# Altium PCB Master Board.PcbDoc
Units mil, origin at the board's own origin, x right, y up, seen from the top; angles counter-clockwise.
Board outline 4310 x 2020 mil, 4 copper layers (Top Layer, Internal Plane 1, Internal Plane 2, Bottom Layer), stack 18.2 mil thick; 98 components, 84 nets, 350 pads, 55 vias.
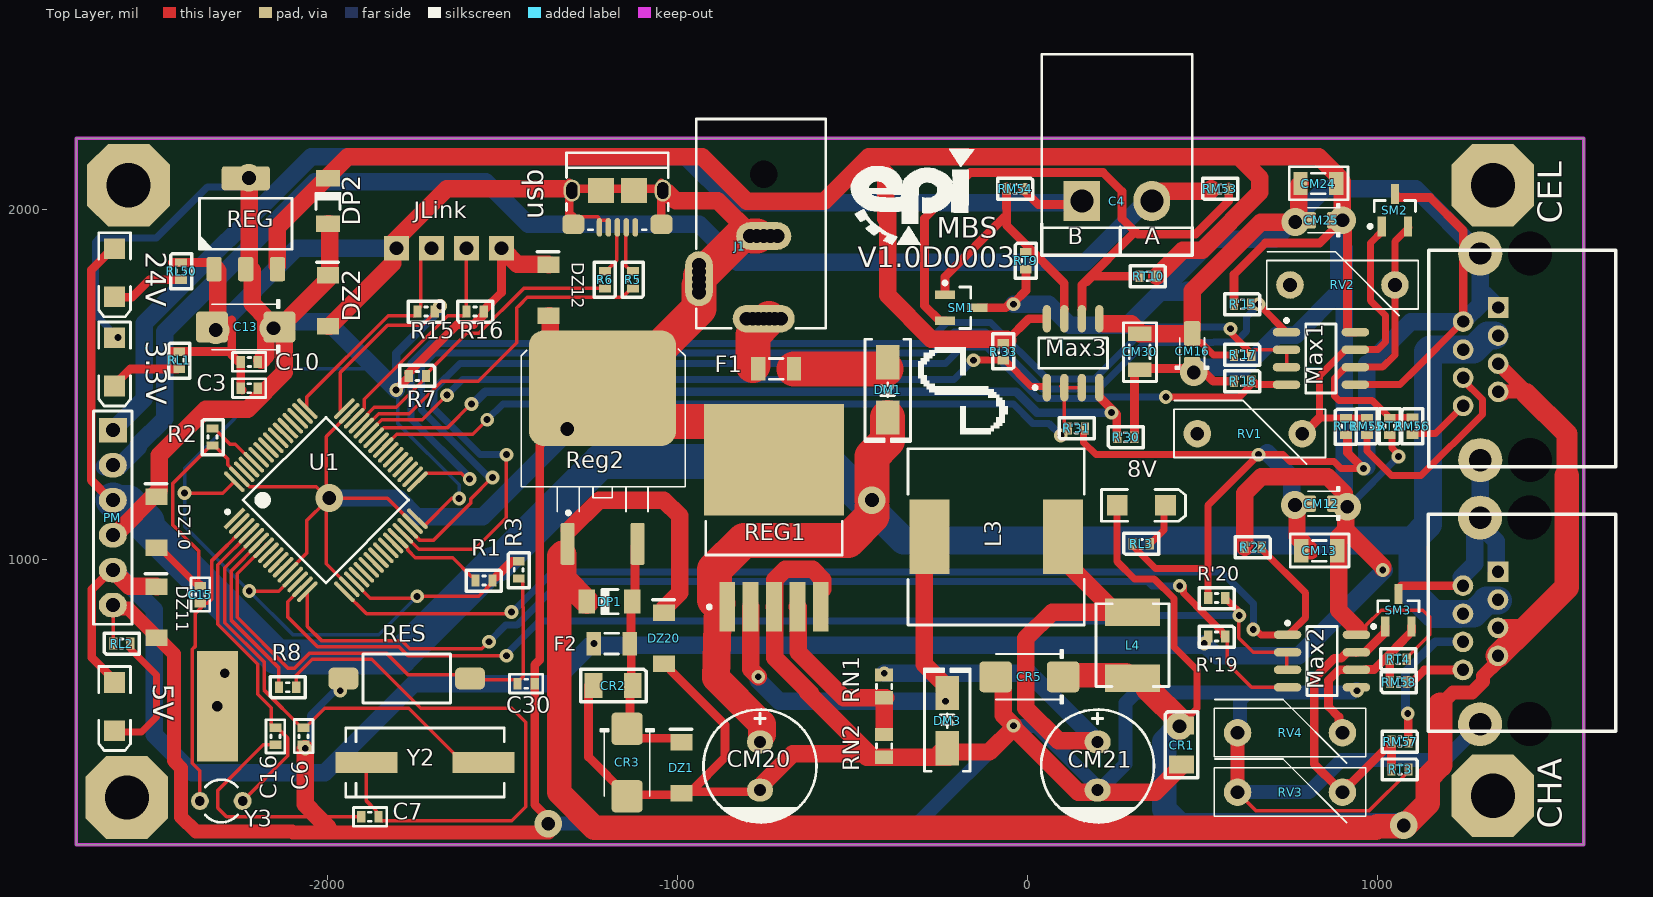
[diagram p0: Top Layer view]
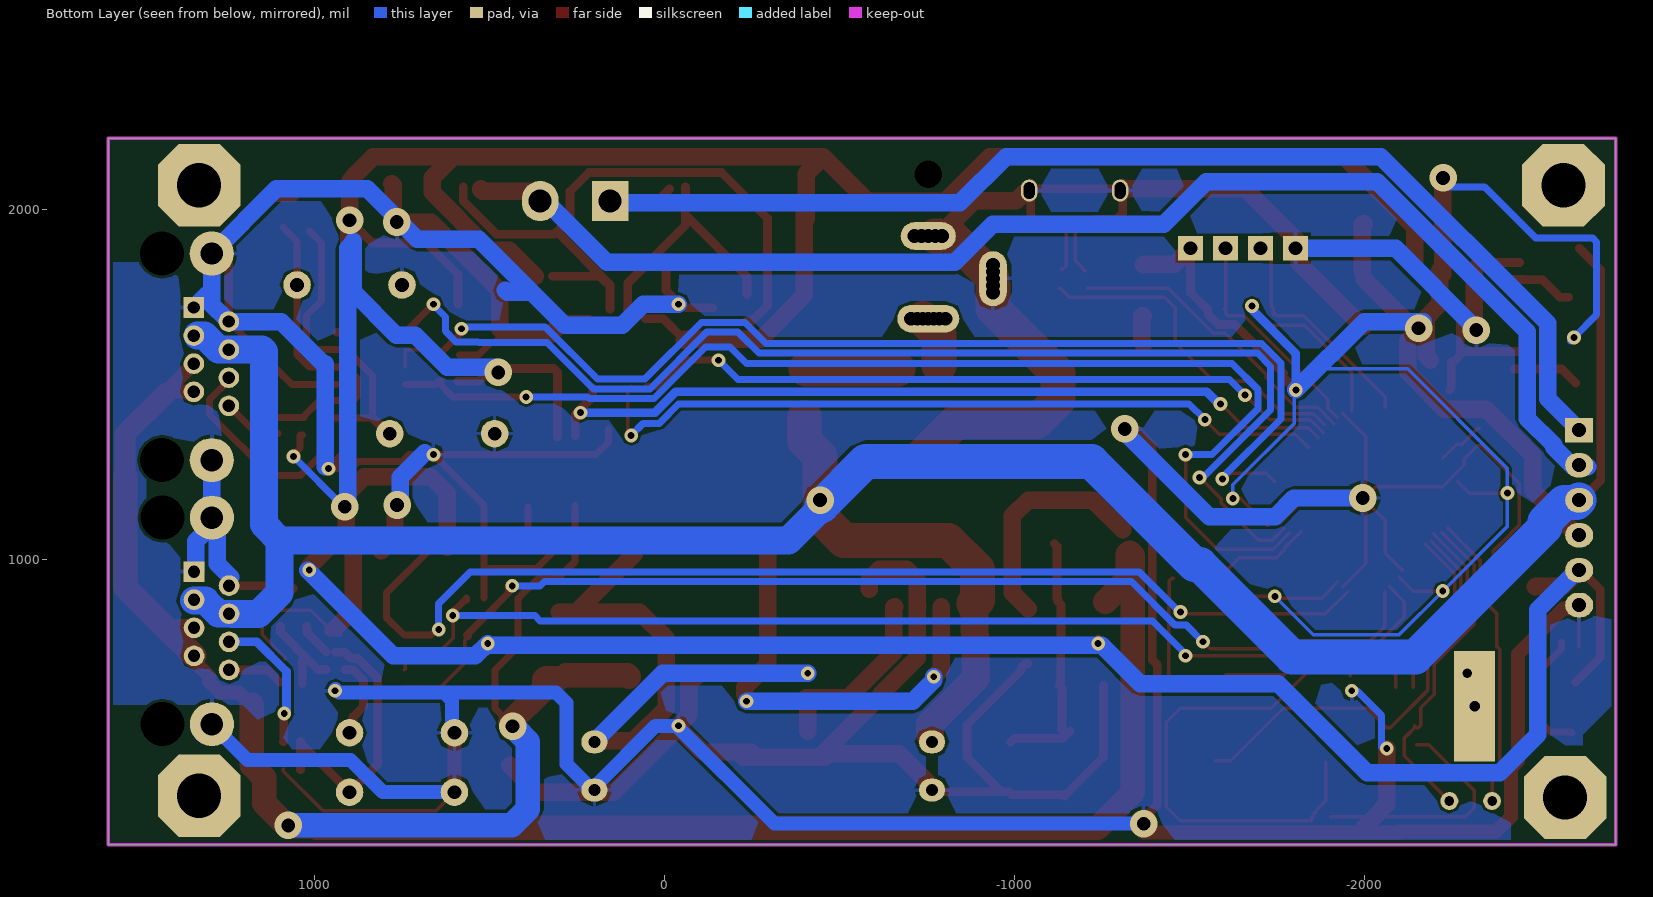
[diagram p1: Bottom Layer view, seen from below]
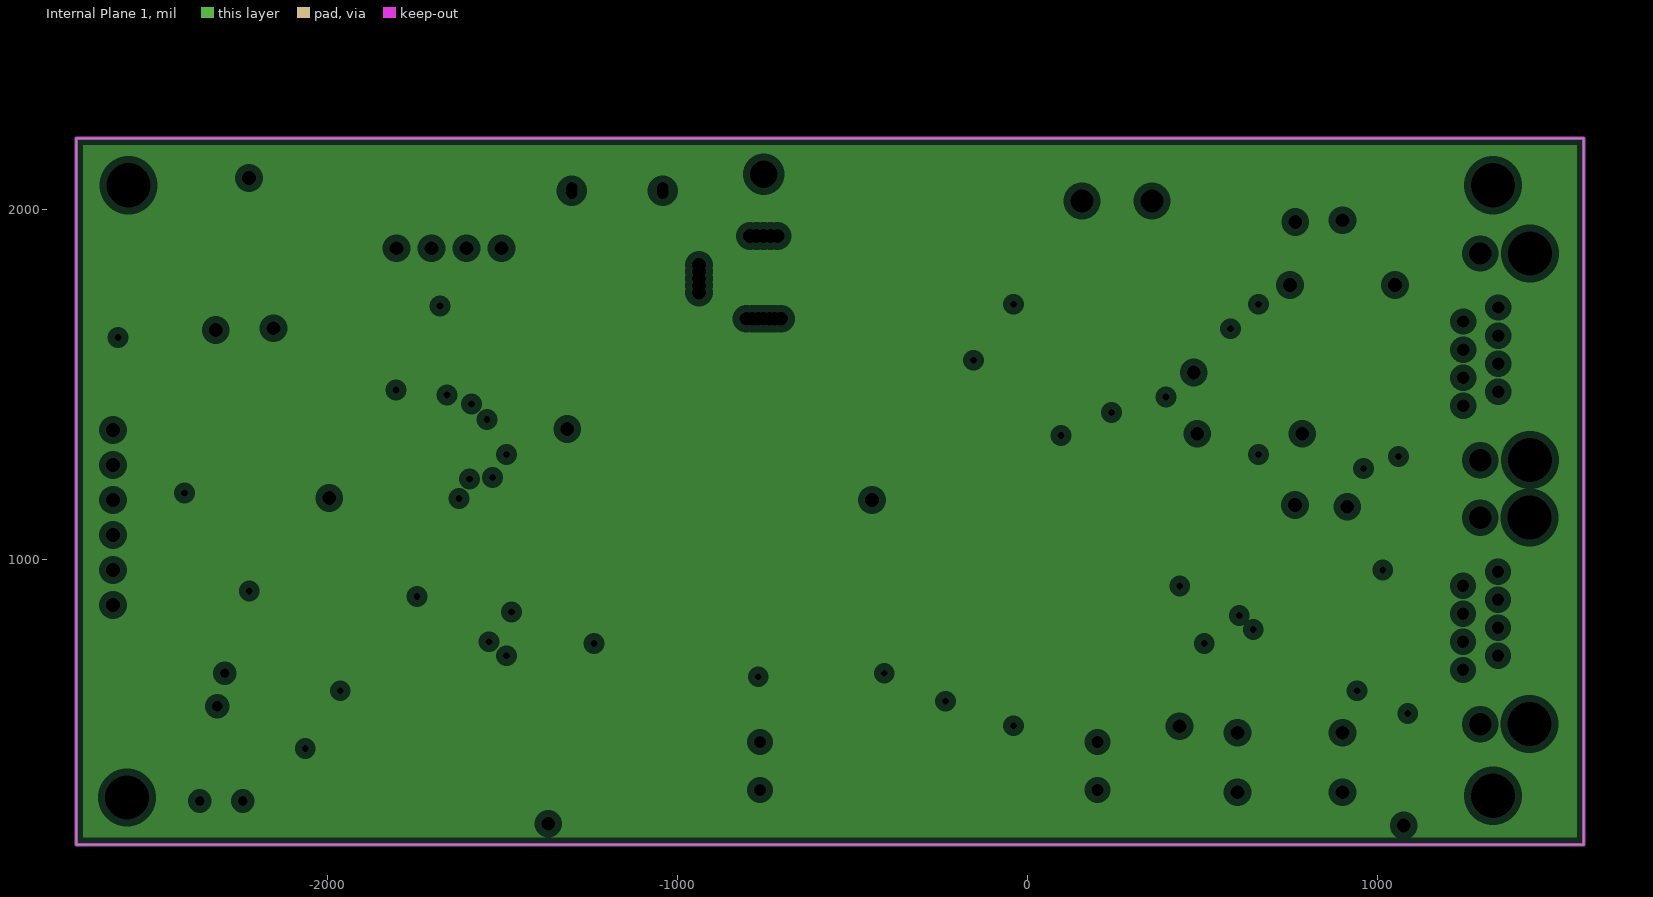
[diagram p2: Internal Plane 1, clearances drawn from the general rule]
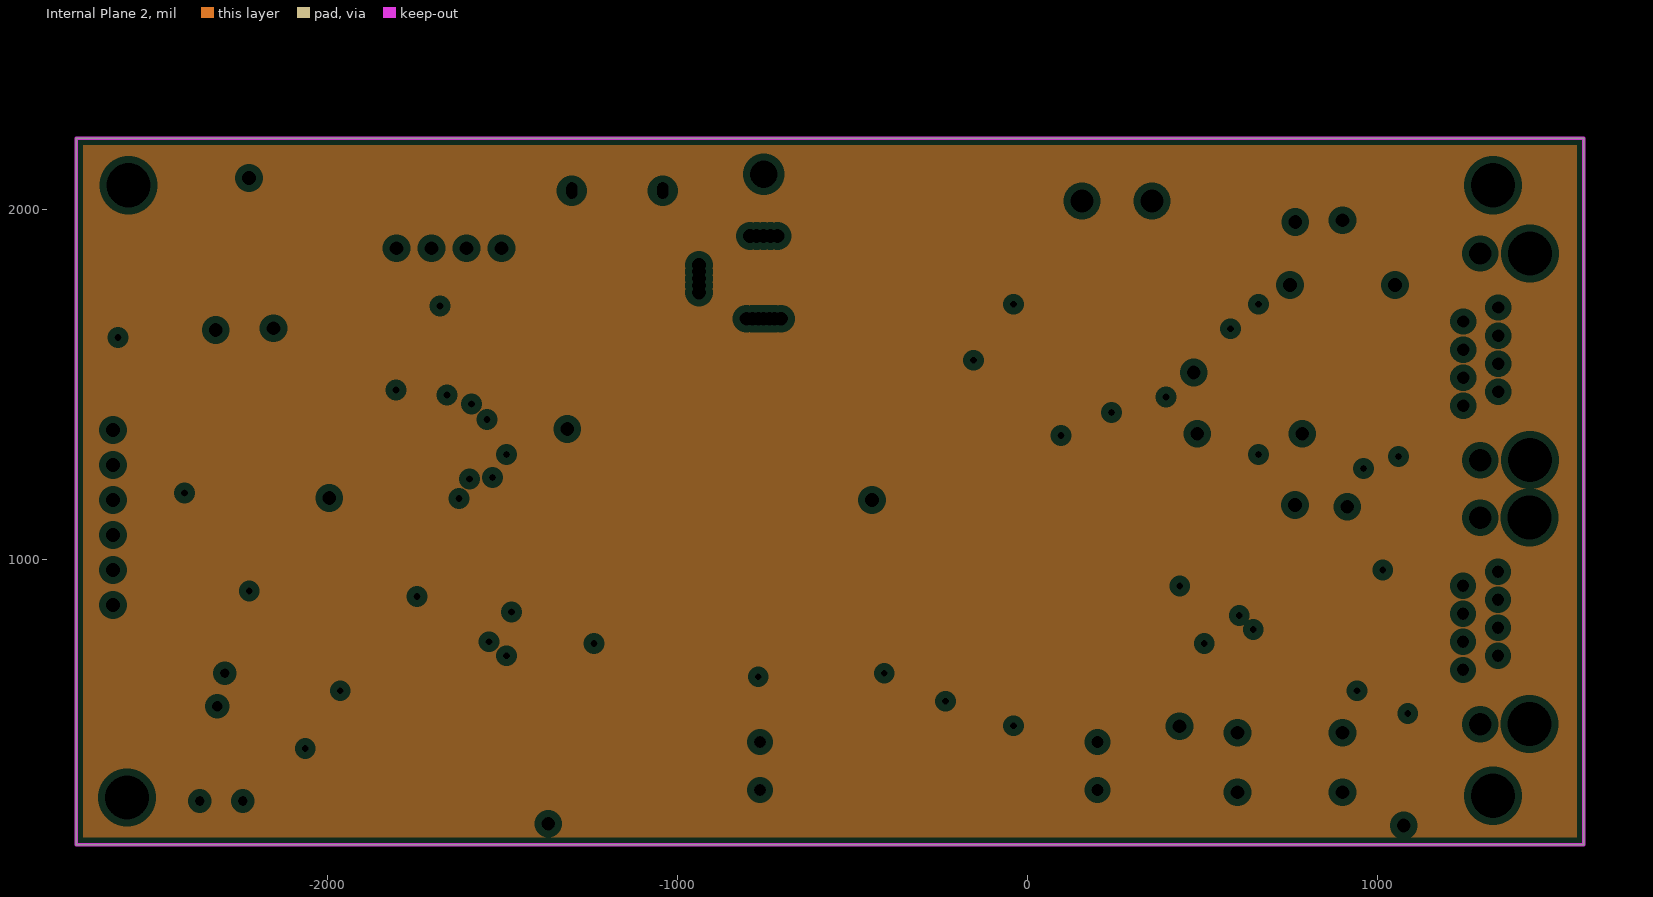
[diagram p3: Internal Plane 2, clearances drawn from the general rule]
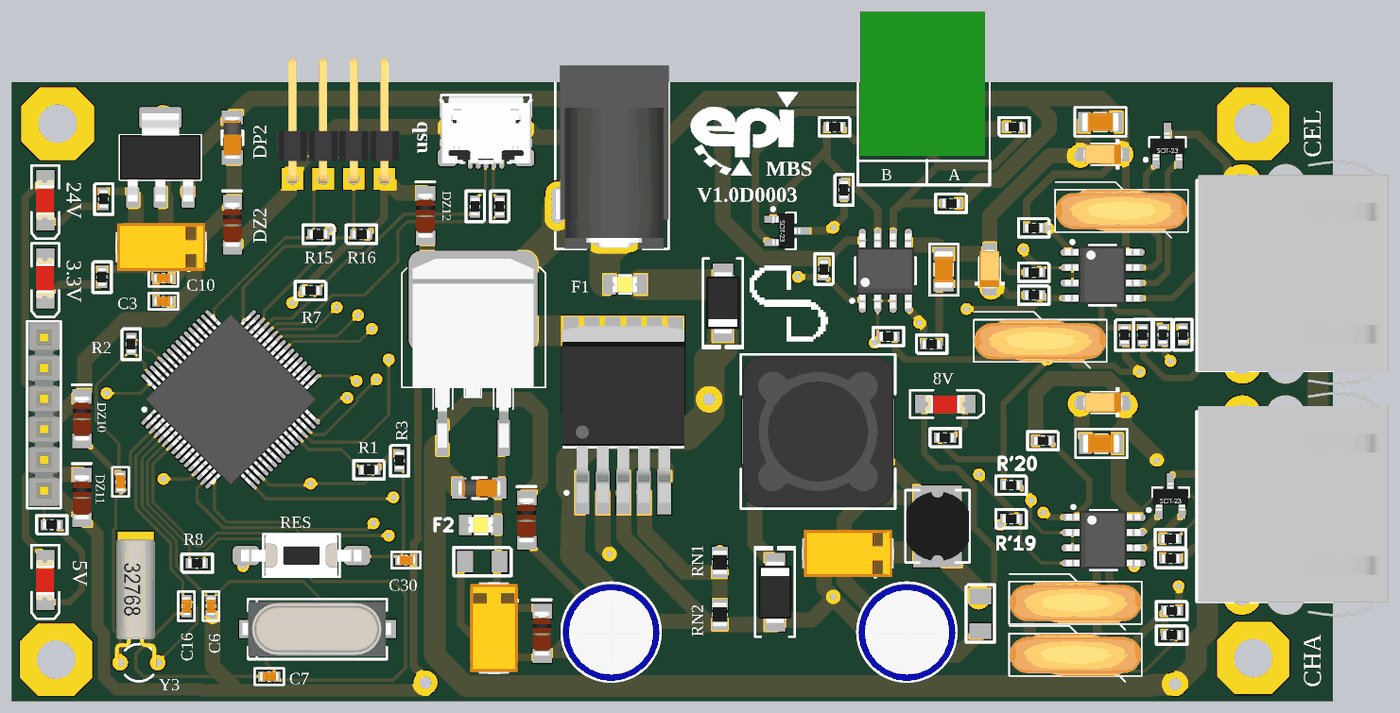
[diagram p4: 3D render of the assembled board from above, using the file's embedded part models]

## Layer stack, top to bottom
Top Solder: solder mask 0.4, Solder Resist, Dk 3.5
Top Layer: signal copper 1.4
Internal Plane 1: plane copper 1.4
Internal Plane 2: plane copper 1.4
Dielectric 1: dielectric 12.6, FR-4, Dk 4.8
Bottom Layer: signal copper 1.4
Bottom Solder: solder mask 0.4, Solder Resist, Dk 3.5

## Board outline
-2720,185 -2720,2205 1590,2205 1590,185

## Design rules (kind name [scope] priority, off if disabled: settings)
Clearance [All] p1: gap=7.87 ignorepadtopadclearanceinfootprint=FALSE except(0: Arc-Hole Track-Hole SMDPad-Hole THPad-Hole Via-Hole Fill-Hole Poly-Hole Region-Hole Text-Hole)
HoleSize [All] p1: absolutevalues=TRUE maxlimit=200 minlimit=1 maxpercent=80.000 minpercent=20.000
MinimumSolderMaskSliver [All] p1 off: minsoldermaskwidth=10
PlaneClearance [All] p1: clearance=20
PlaneConnect [All] p1: planeconnectstyle=Relief reliefexpansion=20 reliefentries=4 reliefconductorwidth=10 reliefairgap=10
PolygonConnect [All] p1: connectstyle=Relief reliefconductorwidth=10 reliefentries=4 polygonreliefangle="90 Angle" airgapwidth=10
RoomDefinition "Power 8V" [InComponentClass('Power 8V')] p1: confinementstyle=ConfineOut formatcopy=TRUE lockcomponents=FALSE outline 4965,256.26 4140,256.26 4140,700 4965,700
RoomDefinition "Power 5V" [InComponentClass('Power 5V')] p2: confinementstyle=ConfineOut formatcopy=TRUE lockcomponents=FALSE outline 3570,1041.26 3015,1041.26 3015,1450 3570,1450
RoomDefinition Comm_Mon [InComponentClass('Comm_Mon')] p3: confinementstyle=ConfineOut formatcopy=TRUE lockcomponents=FALSE outline 3075,2880 3560,2880 3560,2485 3075,2485
RoomDefinition "Power 3.3V" [InComponentClass('Power 3.3V')] p4: confinementstyle=ConfineOut formatcopy=TRUE lockcomponents=FALSE outline -2835,3405 -3120,3405 -3120,3025 -2835,3025
RoomDefinition MCU [InComponentClass('MCU')] p5: confinementstyle=ConfineOut formatcopy=TRUE lockcomponents=FALSE outline -1220,3030 -635,3030 -635,2310 -1220,2310
RoomDefinition "Input Connector" [InComponentClass('Input Connector')] p6: confinementstyle=ConfineOut formatcopy=TRUE lockcomponents=FALSE outline -240,2505 -240,3315 1970,3315 1970,2505
RoomDefinition Comm_Hall [InComponentClass('Comm_Hall')] p7: confinementstyle=ConfineOut formatcopy=TRUE lockcomponents=FALSE outline -350,-98.99 -865,-98.99 -865,-370 -350,-370
RoomDefinition Comm_Elevator [InComponentClass('Comm_Elevator')] p8: confinementstyle=ConfineOut formatcopy=TRUE lockcomponents=FALSE outline -1405,-125 -2005,-125 -2005,-365 -1405,-365
RoutingVias [All] p1: holewidth=23.62 width=39.37 viastyle="Through Hole" minholewidth=19.68 minwidth=30 maxholewidth=43.31 maxwidth=82.68
SilkToBoardRegionClearance [All] p1 off:
SilkToSolderMaskClearance [IsPad] p1 off: minsilkscreentomaskgap=1 clearancetoexposedcopper=TRUE
SolderMaskExpansion [All] p1: expansion=4
Width [All] p1: maxlimit=100 minlimit=10 preferedwidth=10 minimp=50.000000 maximp=50.000000 favimp=50.000000
24 further rules are at their usual default settings.

## Classes and differential pairs
component class "Power 8V": 8V CM20 CM21 CR5 DM3 DZ20 L3 L4 REG1 RL3 RN1 RN2
component class "Power 5V": 5V CR1 CR2 CR3 DP1 DZ1 F2 Reg2 RL2
component class Comm_Mon: CM16 CM30 Max3 R'30 R'31 R'33 RM53 RM54 RT9 RT10 SM1
component class "Power 3.3V": 3.3V C10 C13 DP2 DZ2 REG RL1
component class Comm_Hall: CM12 CM13 Max2 R'19 R'20 R'22 RM57 RM58 RT3 RT4 RV3 RV4 SM3
component class MCU: C3 C6 C7 C15 C16 C30 DZ12 JLink R1 R2 R3 R5 R6 R7 R8 R15 R16 RES U1 usb Y2 Y3
component class "Input Connector": 24v C4 CEL CHA DM1 DZ10 DZ11 F1 J1 PM RL50
component class Comm_Elevator: CM24 CM25 Max1 R'15 R'17 R'18 RM55 RM56 RT1 RT2 RV1 RV2 SM2

## Components (designator, comment, footprint, x,y, rotation, side; value= is the part's Value field where it differs from the comment)
3.3V "GREEN" "LED SMD 1206" -2610,1565 r270 top
5V "RED" "LED SMD 1206" -2610,580 r270 top
8V "RED" "LED SMD 1206" 325,1155 r0 top
24V "RED" "LED SMD 1206" -2610,1820 r270 top (schematic designator 24v)
C3 "100nF" SMD_CAP_0603 -2225,1490 r0 top
C4 "Header 2" "phonix 2pin right 5.08" 255,2025 r90 top
C6 "22pF" SMD_CAP_0603 -2070,495 r270 top
C7 "22pF" SMD_CAP_0603 -1880,265 r180 top
C10 "100nF" SMD_CAP_0603 -2225,1565 r0 top
C13 "100uF" CAPMP6032X280N -2235,1665 r180 top
C15 "10pF" SMD_CAP_0603 -2365,900 r270 top
C16 "10pF" SMD_CAP_0603 -2150,495 r90 top
C30 "1uF" SMD_CAP_0603 -1433.47,645 r0 top
CEL "CN_MODJACK_8P" "CN_RJ45_TYCO_ DY122-8P8C-G" 1435.55,1284.41 r90 top
CHA "CN_MODJACK_8P" "CN_RJ45_TYCO_ DY122-8P8C-G" 1435,529.45 r90 top
CM12 "10uF" CAPMP3216X180N 840,1160 r180 top
CM13 "100nF" SMD_CAP_1206 885,1025 r180 top
CM16 "10uF" CAPMP3216X180N 470,1595 r90 top
CM20 "100uF" "cap 03" -765,410 r90 top
CM21 "2000uF" "cap 03" 200,410 r90 top
CM24 "100nF" SMD_CAP_1206 882.2,2075 r180 top
CM25 "10uF" CAPMP3216X180N 840,1970 r180 top
CM30 "100nF" SMD_CAP_1206 320,1542.8 r90 top
CR1 "330nF" 1206 440,470 r270 top
CR2 "100nF" 1206 -1185,640 r180 top
CR3 "100uF" CAPMP6032X280N -1145,420 r270 top
CR5 "100uF" CAPMP6032X280N 5,665 r180 top
DM1 "1N5822" "DO214AC SMA" -400,1485 r270 top
DM3 "1N5822" "DO214AC SMA" -230,540 r90 top
DP1 "1N4148" LL4148 -1195,880 r180 top
DP2 "1N4148" LL4148 -2000,2025 r90 top
DZ1 "DZ5.6V 0.5W" Minimelf -990,405 r90 top
DZ2 "DZ3.6V 0.5W" Minimelf -2000,1740 r90 top
DZ10 "DZ3.6V 0.5W" Minimelf -2490.49,1107.16 r90 top
DZ11 "DZ5.6V 0.5W" Minimelf -2490.49,850 r90 top
DZ12 "DZ3.6V 0.5W" Minimelf -1370,1770 r90 top
DZ20 "DZ9.1V 0.5W" Minimelf -1040,775 r90 top
F1 "Fuse 4A 1206" "Fuse SMD 1206" -715,1540 r0 top
F2 "Fuse 1A 1206" "Fuse SMD 1206" -1185,755 r0 top
J1 "Power Jack" "Power Jack" -754.37,2259.65 r270 top
JLink "Header Male Right 1x4" "Header 1x4 male rightangle" -1704.13,1890 r0 top
L3 "Inductor" "BOURNS SRR1280" -90,1065 r0 top value=100uH3A
L4 "Inductor" "HPC6045 SMD INDUCTOR" 300,755.51 r270 top value=22uH3A
Max1 "MAX485ESA" SO8_NARROW_N 838.43,1575 r0 top
Max2 "MAX485ESA" SO8_NARROW_N 841.57,710 r0 top
Max3 "MAX485ESA" SO8_NARROW_N 130,1590 r90 top
PM "Header 6" "HEADER 6X1" -2615,1370 r270 top locked
R1 "10K" "RES 0603 (1608X06L)" -1529.41,940 r180 top
R2 "10K" "RES 0603 (1608X06L)" -2330,1375 r270 top
R3 "10K" "RES 0603 (1608X06L)" -1455,995 r270 top
R5 "20R" "RES 0603 (1608X06L)" -1128.22,1775 r90 top
R6 "20R" "RES 0603 (1608X06L)" -1208.22,1775 r90 top
R7 "1.5K" "RES 0603 (1608X06L)" -1720,1525 r180 top
R8 "390" "RES 0603 (1608X06L)" -2140,635 r0 top
R15 "10K" "RES 0603 (1608X06L)" -1695,1708.99 r180 top
R16 "10K" "RES 0603 (1608X06L)" -1604.04,1708.99 r0 top
R'15 "10k" "RES 0603 (1608X06L)" 638.99,1730 r180 top
R'17 "10k" "RES 0603 (1608X06L)" 638.99,1585 r180 top
R'18 "10k" "RES 0603 (1608X06L)" 638.99,1510 r180 top
R'19 "10k" "RES 0603 (1608X06L)" 565,780 r180 top
R'20 "10k" "RES 0603 (1608X06L)" 565,890 r180 top
R'22 "10k" "RES 0603 (1608X06L)" 668.99,1035 r180 top
R'30 "10k" "RES 0603 (1608X06L)" 256.01,1350 r0 top
R'31 "10k" "RES 0603 (1608X06L)" 115,1375 r0 top
R'33 "10k" "RES 0603 (1608X06L)" -70,1570 r90 top
REG "AMS1117-3.3" SOT223 -2235,1960 r90 top
REG1 "LM2576-Adj" TO-263-5 -725,1119.65 r90 top
Reg2 "L7805" D2PAK-3 -1215,1267.5 r270 top value=variable
RES "Button" "TE FSMSMTR" -1775,660 r90 top
RL1 "500" "RES 0603 (1608X06L)" -2425,1593.99 r270 top
RL2 "1K" "RES 0603 (1608X06L)" -2613.99,760 r0 top
RL3 "2K" "RES 0603 (1608X06L)" 300,1045 r0 top
RL50 "5k" "RES 0603 (1608X06L)" -2420,1848.99 r270 top
RM53 "20" "RES 0603 (1608X06L)" 525,2060 r0 top
RM54 "20" "RES 0603 (1608X06L)" -11.01,2060 r180 top
RM55 "20" "RES 0603 (1608X06L)" 970,1356.01 r90 top
RM56 "20" "RES 0603 (1608X06L)" 1100,1406.01 r270 top
RM57 "20" "RES 0603 (1608X06L)" 1088.99,480 r180 top
RM58 "20" "RES 0603 (1608X06L)" 1036.01,650 r0 top
RN1 "4.7K" "RES 0805 (2012X06L)" -410,669.96 r270 top
RN2 "1K" "RES 0805 (2012X06L)" -410,500 r270 top
RT1 "10K" "RES 0603 (1608X06L)" 910,1405 r270 top
RT2 "10K" "RES 0603 (1608X06L)" 1035,1356.01 r90 top
RT3 "10K" "RES 0603 (1608X06L)" 1088.99,400 r180 top
RT4 "10K" "RES 0603 (1608X06L)" 1035,715 r0 top
RT9 "10K" "RES 0603 (1608X06L)" -5,1878.99 r270 top
RT10 "10K" "RES 0603 (1608X06L)" 368.99,1810 r180 top
RV1 "Res Varistor 10D201K" "Varistor Short Hieght - Vertical" 635,1360 r180 top
RV2 "Res Varistor 10D201K" "Varistor Short Hieght - Vertical" 900,1785 r180 top
RV3 "Res Varistor 10D201K" "Varistor Short Hieght - Vertical" 750,335 r180 top
RV4 "Res Varistor 10D201K" "Varistor Short Hieght - Vertical" 750,505 r180 top
SM1 "SM712 Diode" SOT23_BEC_M -190,1720 r0 top
SM2 "SM712 Diode" SOT23_BEC_M 1050,1998.74 r90 top
SM3 "SM712 Diode" SOT23_BEC_M 1060,855 r90 top
U1 "STM32F103RET6" LQFP-64 -2005.91,1170 r45 top
usb "USB Micro" "FCI USB 10118193-0001LF" -1172.76,2053.03 r0 top
Y2 "8 MHz" "Crystal SMD" -1745,420 r0 top
Y3 "32.768K" "XTAL RTC - Right" -2305,310 r90 top

## Footprints (in the part's own frame and the unit in brackets; to place one, negate y for a bottom-side part, rotate by r counter-clockwise, add the part's x,y. Pads: shape width x height; smd on the part's side, far side on the other; paste and mask are expansions set on the pad)
1206 [mm]
  rect 1.3x1.8 smd: 1(-1.425,0) 2(1.425,0)
  silkscreen extent -2.4,-1.18 2.36,1.17, body extent -1.67,-0.87 1.68,0.87, height 0.71
"BOURNS SRR1280" [mm] "Precision Wire Wound Inductor, 2-Leads, Body 12.50x12.50mm, IPC Medium Density"
  rect 2.9x5.4 smd: 1(-4.85,0) 2(4.85,0)
  silkscreen extent -6.4,-6.4 6.4,6.4, body extent -6.25,-6.25 6.25,6.25, height 7.9
"cap 03" [mil]
  oval 65x75 hole 35: 1(68.9,0) 2(-68.9,0)
  silkscreen extent -161,-161 161,161, body extent -159,-159 157,158, height 473
CAPMP3216X180N [mm] "Capacitor, polarized, Molded Body, EIA 535BAAC size A; 3.20mm L X 1.60mm W X 1.80mm H"
  round 0.508 on Mech15: 0(0,0)
  rrect25% 1.8x1.2 smd: 1(-1.3,0) 2(1.3,0)
  silkscreen extent -1.3,-1.2 1,1.2, body extent -1.6,-0.8 1.6,0.8, height 1.8
CAPMP6032X280N [mm] "Capacitor, polarized, Molded Body, EIA 535BAAC size C; 6.00mm L X 3.20mm W X 2.80mm H"
  round 0.508 on Mech15: 0(0,0)
  rrect25% 2.35x2.25 smd: 1(-2.45,0) 2(2.45,0)
  silkscreen extent -2.45,-1.95 2.45,1.95, body extent -3.87,-2.02 3.73,1.93, height 3.1
"CN_RJ45_TYCO_ DY122-8P8C-G" [mm] "DY122-8P8C-G javan"
  rect 1.5x1.5 hole 0.9: 1(11.08,2.3)
  round 1.5 hole 0.9: 2(10.06,4.84) 3(9.04,2.3) 4(8.02,4.84) 5(7,2.3) 6(5.98,4.84) 7(4.96,2.3) 8(3.94,4.84)
  round 3.2 hole 1.63: 9(0,3.6) 9(15,3.6)
  round 0 hole 3.2: " "(0,0) " "(15,0)
  silkscreen extent -0.5,-6.25 15.25,7.35, body extent -1.75,-8.5 16.89,7.25, height 14.6
"Crystal SMD" [mm]
  rect 4.5x1.5 smd: 1(-3.683,0) 2(4.817,0)
  silkscreen extent -5.18,-2.5 6.32,2.5, body extent -5.64,-2.25 6.66,2.25, height 5.18
D2PAK-3 [mil]
  round 20 on Mech15: 0(0,0)
  rrect25% 120x40 smd: 1(222.5,-100) 3(222.5,100)
  rrect25% 330x420 smd: 4(-222.5,0)
  silkscreen extent -335,-232 139,236, body extent -361,-197 256,197, height 189
"DO214AC SMA" [mm]
  rect 2.5x1.7 smd: 1(-2,0) 2(2,0)
  silkscreen extent -3.68,-1.65 3.75,1.65, body extent -2.6,-1.37 2.6,1.37, height 2.4
"FCI USB 10118193-0001LF" [mm]
  oval 0.4x1.35 smd: 1(1.3,-2.625) 2(0.65,-2.625) 3(0,-2.625) 4(-0.65,-2.625) 5(-1.3,-2.625)
  oval 1.2x1.6 hole 0.8 slot 1.2 at 90 deg: S(-3.3,0.05) S(3.3,0.05)
  rrect50% 1.6x1.4 smd: S(-3.2,-2.4) S(3.2,-2.4)
  rect 1.9x1.8 smd: S(-1.2,0.05) S(1.2,0.05)
  silkscreen extent -3.7,-2.8 3.7,2.8, body extent -3.93,-2.9 3.93,2.76, height 2.78
"Fuse SMD 1206" [mm]
  rect 1.05x1.7 smd: 1(-1.397,0.127) 2(1.199,0.127)
  silkscreen extent -0.6,-0.62 0.4,0.88, body extent -1.14,-0.51 0.89,0.76, height 0.2
"Header 1x4 male rightangle" [mm]
  rect 1.8x1.8 hole 1: 1(-2.54,0) 2(0,0) 3(2.54,0) 4(5.08,0)
  body extent -3.81,-0.38 6.35,9.98, height 2.64
"HEADER 6X1" [mil]
  rect 70x80 hole 40: 1(0,0)
  oval 70x80 hole 40: 2(100,0) 3(200,0) 4(300,0) 5(400,0) 6(500,0)
  silkscreen extent -55,-55 555,55, body extent -52,-49 548,51, height 330
"HPC6045 SMD INDUCTOR" [mm] "Wire Wound Inductor, 2-Leads, Body 4.00x5.00mm, IPC Medium Density"
  rect 2x4 smd: 1(-2.4,0) 2(2.4,0)
  silkscreen extent -3,-2.65 3,2.65, body extent -2.86,-2.6 5,2.6, height 4.5
"LED SMD 1206" [mm]
  rect 1.5x1.5 smd: 1(-1.75,0) 2(1.75,0)
  silkscreen extent -2.9,-1.15 3.2,1.15, body extent -1.65,-0.76 1.65,0.69, height 1.36
LL4148 [mm] "MELF Diode, 2-Leads, Body 3.5x1.4mm, IPC Medium Density"
  rect 1.2x1.75 smd: 1(-1.65,0) 2(1.65,0)
  silkscreen extent -0.61,-0.88 0.57,0.87, body extent -1.78,-0.75 1.72,0.75, height 1.55
LQFP-64 [mm] "TSQFP, 64-Leads, Body 12,0x12,0mm (max), Pitch 0,50mm, IPC Low Density"
  rect 2x0.3 smd: 1(-5.65,3.75)
  oval 2x0.3 smd: 2(-5.65,3.25) 3(-5.65,2.75) 4(-5.65,2.25) 5(-5.65,1.75) 6(-5.65,1.25) 7(-5.65,0.75) 8(-5.65,0.25) 9(-5.65,-0.25) 10(-5.65,-0.75) 11(-5.65,-1.25) 12(-5.65,-1.75) 13(-5.65,-2.25) 14(-5.65,-2.75) 15(-5.65,-3.25) 16(-5.65,-3.75) 33(5.65,-3.75) 34(5.65,-3.25) 35(5.65,-2.75) 36(5.65,-2.25) 37(5.65,-1.75) 38(5.65,-1.25) 39(5.65,-0.75) 40(5.65,-0.25) 41(5.65,0.25) 42(5.65,0.75) 43(5.65,1.25) 44(5.65,1.75) 45(5.65,2.25) 46(5.65,2.75) 47(5.65,3.25) 48(5.65,3.75)
  oval 0.3x2 smd: 17(-3.75,-5.65) 18(-3.25,-5.65) 19(-2.75,-5.65) 20(-2.25,-5.65) 21(-1.75,-5.65) 22(-1.25,-5.65) 23(-0.75,-5.65) 24(-0.25,-5.65) 25(0.25,-5.65) 26(0.75,-5.65) 27(1.25,-5.65) 28(1.75,-5.65) 29(2.25,-5.65) 30(2.75,-5.65) 31(3.25,-5.65) 32(3.75,-5.65) 49(3.75,5.65) 50(3.25,5.65) 51(2.75,5.65) 52(2.25,5.65) 53(1.75,5.65) 54(1.25,5.65) 55(0.75,5.65) 56(0.25,5.65) 57(-0.25,5.65) 58(-0.75,5.65) 59(-1.25,5.65) 60(-1.75,5.65) 61(-2.25,5.65) 62(-2.75,5.65) 63(-3.25,5.65) 64(-3.75,5.65)
  silkscreen extent -5.77,-4.25 4.25,4.57, body extent -6.07,-6.1 6.07,6.05, height 1.63
Minimelf [mm]
  rect 1.2x1.6 smd: 1(-1.85,-0.013) 2(1.85,-0.013)
  silkscreen extent 2.8,-0.75 2.8,0.8, body extent -1.85,-0.77 1.85,0.8, height 1.6
"phonix 2pin right 5.08" [mil]
  rect 115x105 hole 66: 1(0,100)
  oval 115x105 hole 66: 2(0,-100)
  silkscreen extent -76,-215 420,215, body extent -60,-199 410,208, height 310
"Power Jack" [mm] "Power Adaptor Jack"
  round 1.5 hole 1: 1(14.5,-1.25) 1(14.5,-0.8) 1(14.5,-0.4) 1(14.5,0.4) 1(14.5,0.8) 1(14.5,1.25) 2(8.5,-1) 2(8.5,1) 2(8.5,-0.5) 2(8.5,0.5) 3(10.6,-4.7) 3(11.1,-4.7) 3(12.1,-4.7) 3(12.6,-4.7)